# Altium PCB APP_EMILE.PcbDoc (part 6 of 6) (continued)
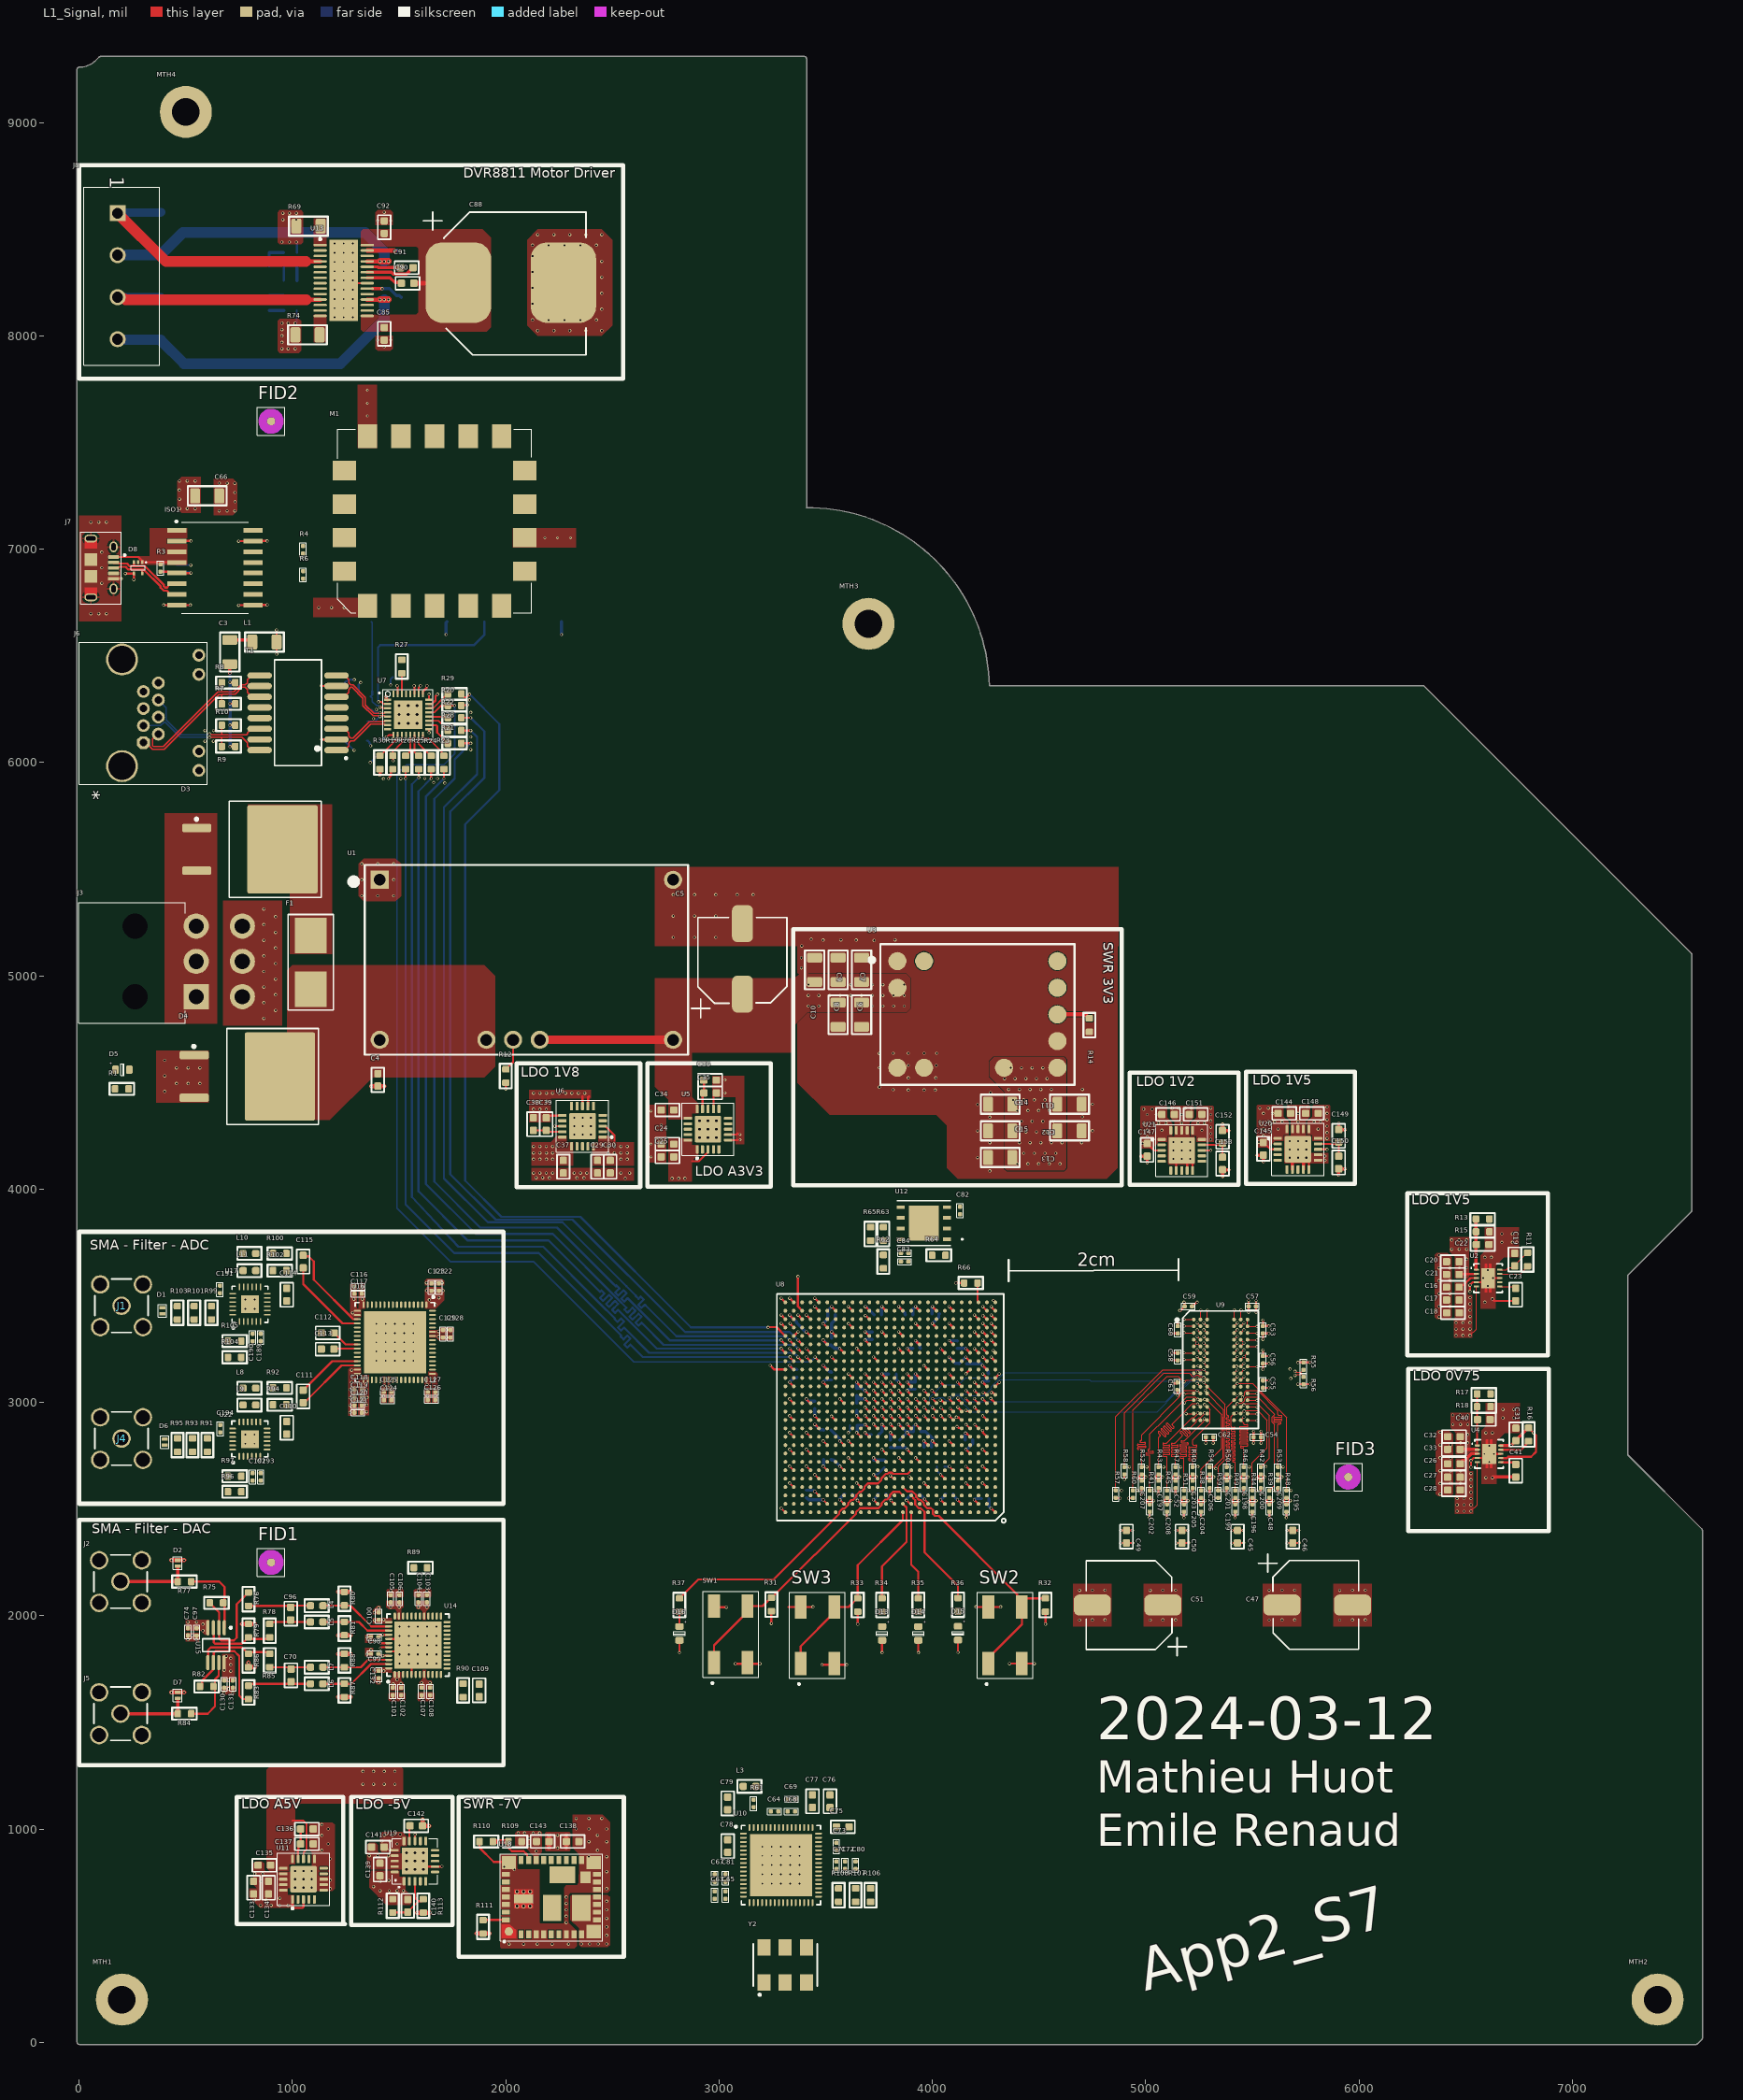
[diagram p0: L1_Signal view]
## Nets (pads, with @x,y where several pads share a name; then routed paths per layer and width w, separated by ;. In a path a pad name is that pad's centre, name@x,y a point inside that pad or via, vN(x,y) a via of type N, cw(c..) or ccw(c..) an arc to the next point about the centre after c; other vN are vias at no path point) (continued)
copper on no net:
  other v3: 778.35,2806.35 821.65,2806.35 778.35,2849.65 821.65,2849.65 779.06,3438.5 822.36,3438.5 779.06,3481.81 822.36,3481.81

## Polygon pours and split planes (outlines as drawn)
GND on L1_Signal "GND_L01_P081" (solid, remove dead copper, pour order 81): 18 vertices, not listed, extent 5650,4120 5855,4395
1V5 on L1_Signal "1V5_L01_P082" (solid, remove dead copper, pour order 82): 5645,4225.86 5645,4255 5670,4255 5670,4315 5645,4340 5645,4390 5640,4395 5525,4395 5520,4390 5520,4200 5525,4195 5575,4195 5605.86,4225.86
3V3 on L1_Signal "3V3_L01_P083" (solid, remove dead copper, pour order 83): 5782.64,4225.86 5782.64,4255 5757.64,4255 5757.64,4315 5782.64,4340 5782.64,4390 5787.64,4395 5860,4395 5865,4390 5865,4225.86 5821.78,4225.86
GND on L1_Signal "GND_L01_P109" (solid, pour order 109): 630,7330 720,7330 740,7310 740,7180 720,7160 630,7160
USB on L1_Signal "USB_L01_P108" (solid, pour order 108): 570,7170 480,7170 460,7190 460,7320 480,7340 570,7340
GND on L1_Signal "GND_L01_P107" (solid, remove dead copper, pour order 107): 5880,1950 5880,2150 6060,2150 6060,1950
DDR3_0V75 on L1_Signal "DDR3_0V75_L01_P106" (solid, remove dead copper, pour order 106): 5549.29,1950 5549.29,2150 5729.29,2150 5729.29,1950
DDR3_0V75 on L1_Signal "DDR3_0V75_L01_P105" (solid, remove dead copper, pour order 105): 4990.71,1950 4990.71,2150 5170.71,2150 5170.71,1950
GND on L1_Signal "GND_L01_P104" (solid, remove dead copper, pour order 104): 4660,1950 4660,2150 4840,2150 4840,1950
DDR3_1V5 on L1_Signal "DDR3_1V5_L01_P101" (solid, remove dead copper, pour order 101): 6510,3502.59 6530,3502.59 6530,3303.03 6445.09,3303.03 6445.09,3387.68 6450,3392.59 6450,3562.59 6510,3562.59
3V3 on L1_Signal "3V3_L01_P100" (solid, remove dead copper, pour order 100): 6450,3582.6 6450,3682.6 6425.22,3707.38 6425.22,3775.63 6516.42,3775.63 6516.42,3582.6
5V5 on L1_Signal "5V5_L01_P055" (solid, pour order 55): 19 vertices, not listed, extent 877.64,805 1517.64,1300
A5V on L1_Signal "A5V_L01_P056" (solid, pour order 56): 1007.64,690 1007.64,630 847.64,630 797.64,680 797.64,720 977.64,720 977.64,690
GND on L1_Signal "GND_L01_P057" (solid, pour order 57): 817.64,798.62 817.64,838.62 827.64,848.62 857.64,848.62 867.64,838.62 867.64,808.62 877.64,798.62 1012.09,798.62 1012.09,723.75 832.52,723.75 817.64,738.62
GND on L1_Signal "GND_L01_P058" (solid, pour order 58): 1077.64,1020 1077.64,903.19 1090.83,890 1090.83,710 1187.64,710 1197.64,720 1197.64,1020 1187.64,1030 1087.64,1030
GND on L1_Signal "GND_L01_P007" (solid, remove dead copper, pour order 7): 2109.65,4314.77 2209.65,4314.77 2209.65,4424.77 2399.65,4424.77 2399.65,4464.77 2109.65,4464.77
3V3 on L1_Signal "3V3_L01_P009" (solid, remove dead copper, pour order 9): 2314.65,4219.77 2314.65,4109.77 2120,4109.77 2120,4219.77 2209.65,4219.77 2239.65,4249.77 2284.65,4249.77 2284.65,4219.77
1V8 on L1_Signal "1V8_L01_P012" (solid, remove dead copper, pour order 12): 2404.65,4219.77 2404.65,4109.77 2600,4109.77 2600,4219.77 2509.65,4219.77 2479.65,4249.77 2434.65,4249.77 2434.65,4219.77
GND on L1_Signal "GND_L01_P099" (solid, remove dead copper, pour order 99): 2600,4040 2600,4100 2120,4100 2120,4040
3V3 on L1_Signal "3V3_L01_P003" (solid, remove dead copper, pour order 3): 6454.91,2756.97 6454.91,2856.97 6430.13,2881.75 6430.13,2950 6521.33,2950 6521.33,2756.97
DDR3_0V75 on L1_Signal "DDR3_0V75_L01_P005" (solid, remove dead copper, pour order 5): 6514.91,2676.97 6534.91,2676.97 6534.91,2477.41 6450,2477.41 6450,2562.06 6454.91,2566.97 6454.91,2736.97 6514.91,2736.97
GND on L1_Signal "GND_L01_P004" (solid, remove dead copper, pour order 4): 6574.91,2616.97 6644.91,2616.97 6644.91,2816.97 6684.91,2856.97 6754.91,2856.97 6754.91,2996.97 6594.91,2996.97 6594.91,2886.97 6574.91,2866.97
GND on L1_Signal "GND_L01_P080" (solid, pour order 80): 6440,2570 6430,2560 6370,2560 6360,2570 6360,2860 6370,2870 6420,2870 6440,2850
GND on L1_Signal "GND_L01_P084" (solid, remove dead copper, pour order 84): 17 vertices, not listed, extent 5105,4115 5230,4390
1V2 on L1_Signal "1V2_L01_P085" (solid, remove dead copper, pour order 85): 5100,4220.86 5100,4250 5125,4250 5125,4310 5100,4335 5100,4385 5095,4390 4980,4390 4975,4385 4975,4195 4980,4190 5030,4190 5060.86,4220.86
3V3 on L1_Signal "3V3_L01_P086" (solid, remove dead copper, pour order 86): 5237.64,4220.86 5237.64,4250 5212.64,4250 5212.64,4310 5237.64,4335 5237.64,4385 5242.64,4390 5315,4390 5320,4385 5320,4220.86 5276.78,4220.86
GND on L1_Signal "GND_L01_P008" (solid, remove dead copper, pour order 8): 2968,4531 2968,4431 3078,4431 3078,4211 3118,4211 3118,4531
5V5 on L1_Signal "5V5_L01_P010" (solid, remove dead copper, pour order 10): 2763,4419 2762,4419 2700,4481 2700,4666 2757,4666 2763,4671 2873,4671 2873,4431 2903,4401 2903,4356 2873,4356 2873,4326 2763,4326
A3V3 on L1_Signal "A3V3_L01_P011" (solid, remove dead copper, pour order 11): 2873,4236 2763,4236 2763,4036 2873,4036 2873,4131 2903,4161 2903,4206 2873,4206
GND on L1_Signal "GND_L01_P014" (solid, remove dead copper, pour order 14): 2751.35,4394.68 2751.35,4124.68 2661.35,4124.68 2661.35,4394.68
GND on L1_Signal "GND_L01_P098" (solid, remove dead copper, pour order 98): 1322,3163 1270,3163 1261,3154 1261,2938 1301,2938 1301,3111 1322,3132 1322,3139
A3V3 on L1_Signal "A3V3_L01_P097" (solid, remove dead copper, pour order 97): 1329,3128 1307,3106 1307,2940 1359,2940 1359,3128
GND on L1_Signal "GND_L01_P096" (solid, remove dead copper, pour order 96): 1445,3122 1445,3075 1450,3070 1450,2997 1476,2997 1476,3063 1456,3083 1456,3122
1V8 on L1_Signal "1V8_L01_P095" (solid, remove dead copper, pour order 95): 1438,3122 1424,3122 1424,3078 1415,3069 1415,2996 1441,2996 1441,3070 1438,3073
GND on L1_Signal "GND_L01_P094" (solid, remove dead copper, pour order 94): 1636,3143 1636,3129 1655,3110 1655,2997 1681,2997 1681,3134 1672,3143
1V8 on L1_Signal "1V8_L01_P093" (solid, remove dead copper, pour order 93): 1619,2996 1649,2996 1648,2997 1648,3107 1633,3122 1619,3122
GND on L1_Signal "GND_L01_P092" (solid, remove dead copper, pour order 92): 1682,3338 1697,3353 1753,3353 1757,3349 1756,3348 1756,3330 1755,3330 1748,3323 1640,3323 1640,3338
1V8 on L1_Signal "1V8_L01_P091" (solid, remove dead copper, pour order 91): 1640,3319 1640,3303 1674,3303 1686,3291 1752,3291 1755,3294 1755,3315 1751,3319
GND on L1_Signal "GND_L01_P090" (solid, remove dead copper, pour order 90): 1621,3550 1621,3570 1631,3580 1701,3580 1711,3570 1711,3550
1V8 on L1_Signal "1V8_L01_P089" (solid, remove dead copper, pour order 89): 1621,3530 1631,3540 1701,3540 1711,3530 1711,3480 1671,3440 1621,3440
GND on L1_Signal "GND_L01_P088" (solid, remove dead copper, pour order 88): 1271,3560 1271,3400 1321,3400 1321,3440 1301,3440 1301,3560
A3V3 on L1_Signal "A3V3_L01_P087" (solid, remove dead copper, pour order 87): 1341,3560 1311,3560 1311,3440 1341,3440
GND on L1_Signal "GND_L01_P079" (solid, pour order 79): 6435.35,3400.43 6425.35,3390.43 6365.35,3390.43 6355.35,3400.43 6355.35,3690.43 6365.35,3700.43 6415.35,3700.43 6435.35,3680.43
GND on L1_Signal "GND_L01_P078" (solid, pour order 78): 3417.89,5197.98 3367.89,5147.98 3367.89,4497.98 3517.89,4347.98 4017.89,4347.98 4067.89,4297.98 4067.89,4097.98 4117.89,4047.98 4817.89,4047.98 4867.89,4097.98 4867.89,5147.98 4817.89,5197.98
5V5 on L1_Signal "5V5_L01_P077" (solid, pour order 77): 3407.89,5007.98 3387.89,4987.98 3387.89,4847.98 3407.89,4827.98 3877.89,4827.98 3897.89,4847.98 3897.89,4987.98 3877.89,5007.98
3V3 on L1_Signal "3V3_L01_P075" (solid, pour order 75): 4267.89,4597.98 4267.89,4527.98 4337.89,4457.98 4337.89,4097.98 4347.89,4087.98 4617.89,4087.98 4627.89,4097.98 4627.89,4607.98 4617.89,4617.98 4287.89,4617.98
GND on L1_Signal "GND_L01_P074" (solid, pour order 74): 2150,8500 2450,8500 2500,8450 2500,8050 2450,8000 2150,8000 2100,8050 2100,8450
GND on L1_Signal "GND_L01_P073" (solid, pour order 73): 1390,8520 1390,8580 1400,8590 1460,8590 1470,8580 1470,8520
GND on L1_Signal "GND_L01_P072" (solid, pour order 72): 1470,8000 1470,7940 1460,7930 1400,7930 1390,7940 1390,8000
GND on L1_Signal "GND_L01_P071" (solid, pour order 71): 1050,8580 1040,8590 940,8590 930,8580 930,8440 940,8430 1040,8430 1050,8440
GND on L1_Signal "GND_L01_P070" (solid, pour order 70): 1040,7930 1030,7920 940,7920 930,7930 930,8070 940,8080 1030,8080 1040,8070
NetR74_2 on L1_Signal "NETR74_2_L01_P069" (solid, pour order 69): 1159.53,8100 1099.53,8100 1099.53,7970 1159.53,7970
NetR69_2 on L1_Signal "NETR69_2_L01_P068" (solid, pour order 68): 1100,8420 1160,8420 1160,8550 1100,8550
24V on L1_Signal "24V_L01_P067" (solid, pour order 67): 1320,8030 1330,8020 1910,8020 1930,8040 1930,8460 1890,8500 1330,8500 1320,8490 1320,8420 1580,8420 1590,8410 1590,8110 1580,8100 1320,8100
USB on L1_Signal "USB_L01_P027" (solid, remove dead copper, pour order 27): 0,7158.11 196.41,7158.11 196.41,6663.11 0,6663.11
GND on L1_Signal "GND_L01_P066" (solid, pour order 66): 1644.53,2085 1574.53,2085 1569.53,2090 1569.53,2120 1574.53,2125 1644.53,2125 1649.53,2120 1649.53,2090
GND on L1_Signal "GND_L01_P065" (solid, pour order 65): 1516.04,2085 1446.04,2085 1441.04,2090 1441.04,2120 1446.04,2125 1516.04,2125 1521.04,2120 1521.04,2090
GND on L1_Signal "GND_L01_P064" (solid, pour order 64): 1590.47,1640 1660.47,1640 1665.47,1635 1665.47,1605 1660.47,1600 1590.47,1600 1585.47,1605 1585.47,1635
GND on L1_Signal "GND_L01_P063" (solid, pour order 63): 1455,1640 1525,1640 1530,1635 1530,1605 1525,1600 1455,1600 1450,1605 1450,1635
1V8 on L1_Signal "1V8_L01_P062" (solid, pour order 62): 1510,1695 1520,1685 1520,1655 1515,1650 1460,1650 1460,1700 1470,1710 1470,1735 1510,1735
1V8 on L1_Signal "1V8_L01_P061" (solid, pour order 61): 1635,1695 1650,1695 1655,1690 1655,1655 1595,1655 1595,1690 1610,1705 1610,1745 1625,1745 1625,1705
1V8 on L1_Signal "1V8_L01_P060" (solid, pour order 60): 1600,2030 1585,2030 1580,2035 1580,2070 1640,2070 1640,2035 1625,2020 1625,1980 1610,1980 1610,2020
1V8 on L1_Signal "1V8_L01_P059" (solid, pour order 59): 1490,1980 1510,1980 1510,2030 1520,2040 1520,2070 1440,2070 1440,2040 1450,2030 1480,2030 1490,2020
24V on L1_Signal "24V_L01_P043" (solid, pour order 43): 2094.25,911.06 2053.25,911.06 2043.25,921.06 2043.25,981.06 2053.25,991.06 2163.25,991.06 2168.25,986.06 2168.25,891.06 2154.25,877.06 2154.25,837.06 2130.25,837.06 2130.25,875.06
GND on L1_Signal "GND_L01_P044" (solid, pour order 44): 2303.25,574.76 2343.25,534.76 2343.25,456.06 2353.25,446.06 2478.25,446.06 2488.25,456.06 2488.25,681.06 2478.25,691.06 2308.25,691.06 2303.25,686.06
-7V on L1_Signal "-7V_L01_P045" (solid, pour order 45): 33 vertices, not listed, extent 1973.25,441.06 2488.25,1066.06
GND on L1_Signal "GND_L01_P047" (solid, pour order 47): 2188.25,896.06 2298.25,896.06 2303.25,901.06 2303.25,981.06 2298.25,986.06 2188.25,986.06 2183.25,981.06 2183.25,901.06
-7V on L1_Signal "-7V_L01_P048" (solid, pour order 48): 1410,974.88 1420,984.88 1515,984.88 1535,964.88 1535,919.88 1505,919.88 1505,889.88 1420,889.88 1410,899.88
-5V on L1_Signal "-5V_L01_P050" (solid, pour order 50): 1530,774.88 1530,714.88 1560,684.88 1560,654.88 1550,644.88 1440,644.88 1360,724.88 1360,794.88 1370,804.88 1500,804.88 1500,774.88
GND on L1_Signal "GND_L01_P051" (solid, pour order 51): 1350,884.88 1350,924.88 1360,934.88 1390,934.88 1400,924.88 1400,894.88 1410,884.88 1520,884.88 1520,810 1364.88,810 1350,824.88
GND on L1_Signal "GND_L01_P042" (solid, remove dead copper, pour order 42): 1376,2024 1398,2046 1414,2046 1414,2006 1376,2006
GND on L1_Signal "GND_L01_P041" (solid, remove dead copper, pour order 41): 1396,1678 1374,1700 1374,1716 1414,1716 1414,1678
A3V3 on L1_Signal "A3V3_L01_P039" (solid, remove dead copper, pour order 39): 1466,1758 1466,1732 1376,1732 1376,1758
A3V3 on L1_Signal "A3V3_L01_P038" (solid, remove dead copper, pour order 38): 1466,1964 1466,1990 1376,1990 1376,1964
GND on L1_Signal "GND_L01_P037" (solid, remove dead copper, pour order 37): 1340,1810 1340,1848 1377,1848 1377,1810
GND on L1_Signal "GND_L01_P036" (solid, remove dead copper, pour order 36): 1378,1873 1340,1873 1340,1910 1378,1910
GND on L1_Signal "GND_L01_P035" (solid, remove dead copper, pour order 35): 500,1920 560,1920 560,1880 500,1880
-5V on L1_Signal "-5V_L01_P034" (solid, remove dead copper, pour order 34): 610,1910 590,1910 570,1930 500,1930 500,1980 610,1980
GND on L1_Signal "GND_L01_P033" (solid, remove dead copper, pour order 33): 670,1670 730,1670 730,1630 670,1630
A5V on L1_Signal "A5V_L01_P032" (solid, remove dead copper, pour order 32): 670,1690 671.56,1688.44 730,1688.44 730,1810 720,1820 670,1820 670,1760
GND on L1_Signal "GND_L01_P031" (solid, remove dead copper, pour order 31): 1484.16,5350 1509.16,5375 1509.16,5525 1484.16,5550 1334.16,5550 1309.16,5525 1309.16,5375 1334.16,5350
24V on L1_Signal "24V_L01_P030" (solid, remove dead copper, pour order 30): 1900,4525 1950,4575 1950,5000 1900,5050 1000,5050 975,5025 975,4725 800,4725 800,4329.86 804.86,4325 1175,4325 1375,4525
GND on L1_Signal "GND_L01_P029" (solid, remove dead copper, pour order 29): 2699.41,5510 2699.41,5140 4872,5140 4872,5510
USB_5V on L1_Signal "USB_5V_L01_P028" (solid, remove dead copper, pour order 28): 330.98,6967.64 281.02,6967.64 281.02,6926.84 334.11,6926.84 506.25,6926.84 506.25,7098.85 330.98,7098.85
5V5 on L1_Signal "5V5_L01_P025" (solid, remove dead copper, pour order 25): 3355,4988 3375,5008 3418,5008 3418,4833 3355,4770 3355,4640 2699.41,4640 2699.41,4988
GND on L1_Signal "GND_L01_P022" (solid, remove dead copper, pour order 22): 607.92,4406.07 607.92,4648.11 360.98,4648.11 360.98,4406.07
GND on L1_Signal "GND_L01_P021" (solid, remove dead copper, pour order 21): 674.23,5347.76 674.23,5353.11 950.98,5353.11 950.98,4768.11 675.41,4768.11
NetD3_4 on L1_Signal "NETD3_4_L01_P019" (solid, remove dead copper, pour order 19): 790.98,5803.11 790.98,5388.11 986.98,5388.11 986.98,5103.11 1184.98,5103.11 1184.98,5803.11
NetD3_1 on L1_Signal "NETD3_1_L01_P018" (solid, remove dead copper, pour order 18): 400,4775 400,5762.17 645.98,5762.17 645.98,4775
GND on L1_Signal "GND_L01_P017" (solid, remove dead copper, pour order 17): 2033.14,7099.01 2328.26,7099.01 2328.26,7008.46 2033.14,7008.46
GND on L1_Signal "GND_L01_P016" (solid, remove dead copper, pour order 16): 1392.74,6681.23 1097.62,6681.23 1097.62,6771.78 1392.74,6771.78
GND on L1_Signal "GND_L01_P015" (solid, remove dead copper, pour order 15): 1305.78,7474.99 1305.78,7770.11 1396.33,7770.11 1396.33,7474.99
GND on L1_Signal "GND_L01_P001" (solid, remove dead copper, pour order 1): 6570,3440 6640,3440 6640,3640 6680,3680 6750,3680 6750,3820 6590,3820 6590,3710 6570,3690
GND on L2_GND (split plane): 155 vertices, not listed, extent 10.08,10.08 7589.92,9289.92
USB on L2_GND (split plane): 585.9,6643.19 15.07,6643.19 15.07,7734.93 585.9,7734.93
GND on L4_GND (split plane): 151 vertices, not listed, extent 10.08,10.08 7589.92,9289.92
USB on L4_GND (split plane): 589.91,6610.09 10.08,6610.09 10.08,7739.91 589.91,7739.91
3V3 on L5_Power (split plane): 135 vertices, not listed, extent 10.08,10.08 7589.92,9289.92
-5V on L5_Power (split plane): 18 vertices, not listed, extent 470.09,410.09 1739.91,3639.91
24V on L5_Power (split plane): 69 vertices, not listed, extent 1060.09,880.09 3339.91,5039.91
-7V on L5_Power (split plane): 39 vertices, not listed, extent 1297.69,410.09 2539.91,1489.91
A3V3 on L5_Power (split plane): 26 vertices, not listed, extent 1297.69,1510.09 2889.91,4249.91
1V2 on L5_Power (split plane): 29 vertices, not listed, extent 3615.84,2832.09 5149.91,4429.91
DDR3_1V5 on L5_Power (split plane): 20 vertices, not listed, extent 4670.09,1930.09 6879.91,3977.13
GND on L6_GND (split plane): 151 vertices, not listed, extent 10.08,10.08 7589.92,9289.92
USB on L6_GND (split plane): 589.91,6610.09 10.08,6610.09 10.08,7739.91 589.91,7739.91
GND on L7_GND (split plane): 151 vertices, not listed, extent 10.08,10.08 7589.92,9289.92
USB on L7_GND (split plane): 589.91,6610.09 10.08,6610.09 10.08,7739.91 589.91,7739.91
A5V on L8_Power (split plane): 1279.91,2410 1279.91,1500 1279.91,410.09 470.09,410.09 470.09,3639.91 1279.91,3639.91
GND on L8_Power (split plane): 147 vertices, not listed, extent 10.08,10.08 7589.92,9289.92
USB on L8_Power (split plane): 594.9,6605.1 10.08,6605.1 10.08,7744.9 594.9,7744.9
1V8 on L8_Power (split plane): 21 vertices, not listed, extent 1300.09,1510.09 2639.91,4239.91
5V5 on L8_Power (split plane): 24 vertices, not listed, extent 1300.09,410.09 3899.91,5074.89
DDR3_0V75 on L8_Power (split plane): 19 vertices, not listed, extent 4670.09,1930.09 6879.91,2989.91
1V5 on L8_Power (split plane): 17 vertices, not listed, extent 3160.09,2360.09 5969.91,4539.91
3V3 on L8_Power (split plane): 6879.91,2990 6879.91,2760.09 6430.09,2760.09 6430.09,3900 6430.09,3979.91 6879.91,3979.91
GND on L8_Power (split plane): 6409.91,3900 6409.91,3010.09 5980,3010.09 5977.39,3009.74 5974.96,3008.73 5972.87,3007.13 5741.95,2776.21 4670.09,2776.21 4670.09,3475.82 5174.18,3979.91 6409.91,3979.91
GND on L9_GND (split plane): 151 vertices, not listed, extent 10.08,10.08 7589.92,9289.92
USB on L9_GND (split plane): 589.91,6610.09 10.08,6610.09 10.08,7739.91 589.91,7739.91
GND on L11_GND (split plane): 147 vertices, not listed, extent 10.08,10.08 7589.92,9289.92
USB on L11_GND (split plane): 594.9,6605.1 10.08,6605.1 10.08,7744.9 594.9,7744.9

## Other copper
L2_GND (plane layer: these items are gaps in the copper):
  rectangle: 851.65,5968.5 1205.98,6491.23
  lines w30: 0,6628.11 600.98,6628.11 ; 0,6628.11 0,7750 ; 0,6628.11 600.98,6628.11 ; 0,6628.11 0,7750 ; 0,7750 600.98,7750 ; 0,7750 600.98,7750 ; 600.98,6628.11 600.98,7750 ; 600.98,6628.11 600.98,7750
L4_GND (plane layer: these items are gaps in the copper):
  rectangle: 851.65,5968.5 1205.98,6491.23
  lines w20: 0,6600 600,6600 600,7750 0,7750
L6_GND (plane layer: these items are gaps in the copper):
  rectangle: 851.65,5968.5 1205.98,6491.23
  lines w20: 0,6600 600,6600 600,7750 0,7750
L7_GND (plane layer: these items are gaps in the copper):
  rectangle: 851.65,5968.5 1205.98,6491.23
  lines w20: 0,6600 600,6600 600,7750 0,7750
L9_GND (plane layer: these items are gaps in the copper):
  rectangle: 851.65,5968.5 1205.98,6491.23
  lines w20: 0,6600 600,6600 600,7750 0,7750
L11_GND (plane layer: these items are gaps in the copper):
  rectangle: 851.65,5968.5 1205.98,6491.23
  lines w10: 0,6600 600,6600 600,7750 0,7750 0,6600
L5_Power (plane layer: these items are gaps in the copper):
  lines w20: 1290.02,3650 460,3650 460,400 1750,400 ; 2019.92,4188.64 1055.7,4188.64 ccw(c1055.7,4180.57) 1050,4186.27 1050,4850 1250,5050 3100,5050 3350,4800 3350,4150 2339.13,3139.13 2339.13,1140 ; 2024.59,4193.3 ccw(c1942.91,4274.98) 2058.43,4274.98 ; 2059.75,4266.73 2058.43,4266.73 2058.43,4274.98 ; 2350,4255.4 2354.6,4260 2790,4260 2900,4260 2900,4020 2890,4010 2660,4010 2000,3350 2000,1500 ; 4660,2350 4660,3472.34 ; 4660,2361.19 4660,1920 ; 5160,3987.22 6420,3987.22 6420,3582.6 6890,3582.6 6890,1920 4660,1920 ; 1287.61,1500 1287.61,1142.39 1290,1140 1290,830 1750,830 1750,400 ; 1287.61,1500 2000,1500 ; 1287.61,1500 1287.61,3650 1850,3650 2350,4150 2350,4321.51 2104.96,4321.51 2058.43,4274.98 ; 1750,400 2520,400 2550,430 2550,1100 2510,1140 2346.64,1140 2243.25,1036.62 2243.25,870 2070,870 2000,940 2000,1500 ; 4660,1920 4660,1920 ; 3605.75,2859.25 3643,2822 4012,2822 5160,3970 5160,4290 5160,4440 4920,4440 4920,4230 3868,3178 3868,3173 3692,3173 3605.75,3086.75 3605.75,2859.25
L8_Power (plane layer: these items are gaps in the copper):
  lines w10: 0,6600 600,6600 600,7750 0,7750 0,6600
  lines w20: 4660,2766.12 5746.12,2766.12 5980,3000 6418.91,3000 ; 5980,3990 5980,4550 3980,4550 3150,3720 3150,3490 3150,2350 4660,2350 ; 1290,400 2320,400 2320,3230 3910,4820 3910,5080 3905.02,5084.98 3484.98,5084.98 2650,4250 ; 1290,400 1290,1500 ; 1290,400 460,400 460,3650 1290,3650 ; 1290,1500 2000,1500 2000,3350 2650,4000 2650,4250 ; 1290,1500 1290,2410 1290,3650 ; 1290,3650 1850,3650 2350,4150 2350,4250 2650,4250 ; 4660,2350 4660,1920 6890,1920 6890,2990 6890,2750 ; 4660,2350 4660,3480 5170,3990 6090,3990 6330,3990 6420,3990 ; 6420,3990 6890,3990 ; 6420,3990 6420,3900 6420,2750 6890,2750 ; 6890,2750 6890,3990 ; 6890,3990 6890,3990

## Silkscreen, mask and mechanical layers (free items; w line width, h text height)
Top Overlay:
  lines w10: 4357.96,3567.94 4357.96,3667.94 ; 4357.96,3616.08 5154.17,3620.29 ; 5154.16,3572.14 5154.16,3672.14
  lines w20: 738.31,553.74 738.31,1150 1238.31,1150 1238.31,553.74 ; 745.94,553.74 1245.94,553.74 ; 1268,2525 0,2525 0,3800 1243,3800 1990,3800 1990,2525 1275,2525 ; 1290,1300 1990,1300 1990,2450 1320,2450 ; 1318,1300 0,1300 0,2450 1318,2450 ; 0,7800 0,8800 2550,8800 2550,7800 0,7800 ; 1275,549.88 1275,1149.88 1750,1149.88 1750,549.88 1275,549.88 ; 1778.25,401.06 1778.25,1151.06 2553.25,1151.06 2553.25,401.06 1778.25,401.06 ; 2050.35,4010 2050.35,4273.23 2050.35,4590 2630,4590 2630,4010 2050.35,4010 ; 2663.23,4010.65 3243.23,4010.65 3243.23,4590.3 2926.46,4590.3 2663.23,4590.3 2663.23,4010.65 ; 3347.89,4017.98 4887.89,4017.98 4887.89,5217.98 4707.89,5217.98 3347.89,5217.98 3347.89,4017.98 ; 4925,4020 4925,4125 4925,4545 5435,4545 5435,4020 4925,4020 ; 5470,4025 5980,4025 5980,4550 5470,4550 5470,4130 5470,4025 ; 6225.35,3220.43 6885.35,3220.43 6885.35,3980.43 6225.35,3980.43 6225.35,3600.43 6225.35,3220.43 ; 6230.5,2396.4 6230.5,2776.4 6230.5,3156.4 6890.5,3156.4 6890.5,2396.4 6230.5,2396.4
  text "DVR8811 Motor Driver" at 1800,8725.87 h78.74
  text "SWR 3V3" at 4787.85,5157.98 h78.74 r270
  text "LDO 1V8" at 2070,4510.87 h78.74
  text "LDO 1V5" at 5501.28,4473.09 h78.74
  text "LDO 1V2" at 4956.28,4468.09 h78.74
  text "LDO A3V3" at 2888,4045.87 h78.74
  text "LDO 1V5" at 6246.63,3911.92 h78.74
  text "SMA - Filter - ADC" at 50,3700.87 h78.74
  text "2cm" at 4680,3640 h60
  text "LDO 0V75" at 6251.78,3087.89 h78.74
  text "SMA - Filter - DAC" at 60,2370.87 h78.74
  text "2024-03-12" at 4770,1420 h200
  text "Mathieu Huot" at 4770,1170 h150
  text "LDO A5V" at 760,1080.87 h78.74
  text "SWR -7V" at 1800,1080.87 h78.74
  text "LDO -5V" at 1294.27,1078.09 h78.74
  text "Emile Renaud" at 4770,920 h150
  text "App2_S7" at 4996.89,238.87 h200 r15
Board Shape:
  lines w10: 3400.12,7189.87 cw(c3415.63,6343.6) 4262.04,6343.6
  lines w20: 0,4.66 0,0 ; 3400,7196.41 3400,8850 3400,9300 100,9300 85.36,9285.36 cw(c0,9370.71) 0,9250 0,0 ; 4246.41,6350 6300,6350 7550,5100 7550,3900 7250,3600 7250,2750 7600,2400 7600,20 7580,0 0,0

## Text inside footprints (layer, text, board x,y; h text height)
C5: Drill Guide "Verified by : Alexandre Imbeault" at 2828.19,5284.26 h31.5 r270; Drill Guide "Created by : Alexandre Gaudet" at 2861.65,5285.24 h31.5 r270; Drill Guide "Date : 2013-04-17" at 2796.69,5283.27 h31.5 r270
C42: Drill Guide "Date : 2013-04-17" at 2269.09,6328.48 h31.5; Drill Guide "Created by : Alexandre Gaudet" at 2271.06,6393.44 h31.5; Drill Guide "Verified by : Alexandre Imbeault" at 2270.08,6359.97 h31.5
C44: Drill Guide "Date : 2013-04-17" at 1728.39,6327.01 h31.5; Drill Guide "Created by : Alexandre Gaudet" at 1730.35,6391.97 h31.5; Drill Guide "Verified by : Alexandre Imbeault" at 1729.37,6358.5 h31.5
C47: Drill Guide "Date : 2013-04-17" at 6008.39,2362.99 h31.5 r180; Drill Guide "Created by : Alexandre Gaudet" at 6010.35,2298.03 h31.5 r180; Drill Guide "Verified by : Alexandre Imbeault" at 6009.37,2331.5 h31.5 r180
C51: Drill Guide "Date : 2013-04-17" at 4711.61,1737.01 h31.5; Drill Guide "Created by : Alexandre Gaudet" at 4709.65,1801.97 h31.5; Drill Guide "Verified by : Alexandre Imbeault" at 4710.63,1768.5 h31.5
C88: Drill Guide "Verified by : Alexandre Imbeault" at 2251.26,8676.18 h39.37 r180; Drill Guide "Created by : Alexandre Gaudet" at 2251.3,8630.91 h39.37 r180; Drill Guide "Date : 2013-04-17" at 2251.3,8720.47 h39.37 r180
D5: Top Overlay "+" at 143.43,4579.68 h19.68
D13: Top Overlay "+" at 3783.71,1975.94 h19.68 r270
D14: Top Overlay "+" at 3953.71,1975.94 h19.68 r270
D15: Top Overlay "+" at 4139.68,1977.44 h19.68 r270
D16: Top Overlay "+" at 2833.71,1975.94 h19.68 r270
J6: Top Overlay "*" at 30.98,5868.11 h65 r270
J7: Mechanical 1 "Board Edge" at -39.81,7026.7 h23.62 r270
J8: Top Overlay "1" at 144.57,8748.5 h65 r270; Mechanical 1 "INSERT WIRES ON THIS SIDE" at -24.72,8665.83 h31.5 r270
U18: Mechanical 13 "The 3D model is a 39pin instead of 41. For package representation only" at 2063.65,538.34 h3.94